# Altium PCB RemoteCtrl-V2.PcbDoc (part 1 of 4)
Units mil, origin at the board's own origin, x right, y up, seen from the top; angles counter-clockwise.
Board outline 3937.01 x 3700.79 mil, 2 copper layers (Top Layer, Bottom Layer); 118 components, 110 nets, 611 pads, 205 vias.
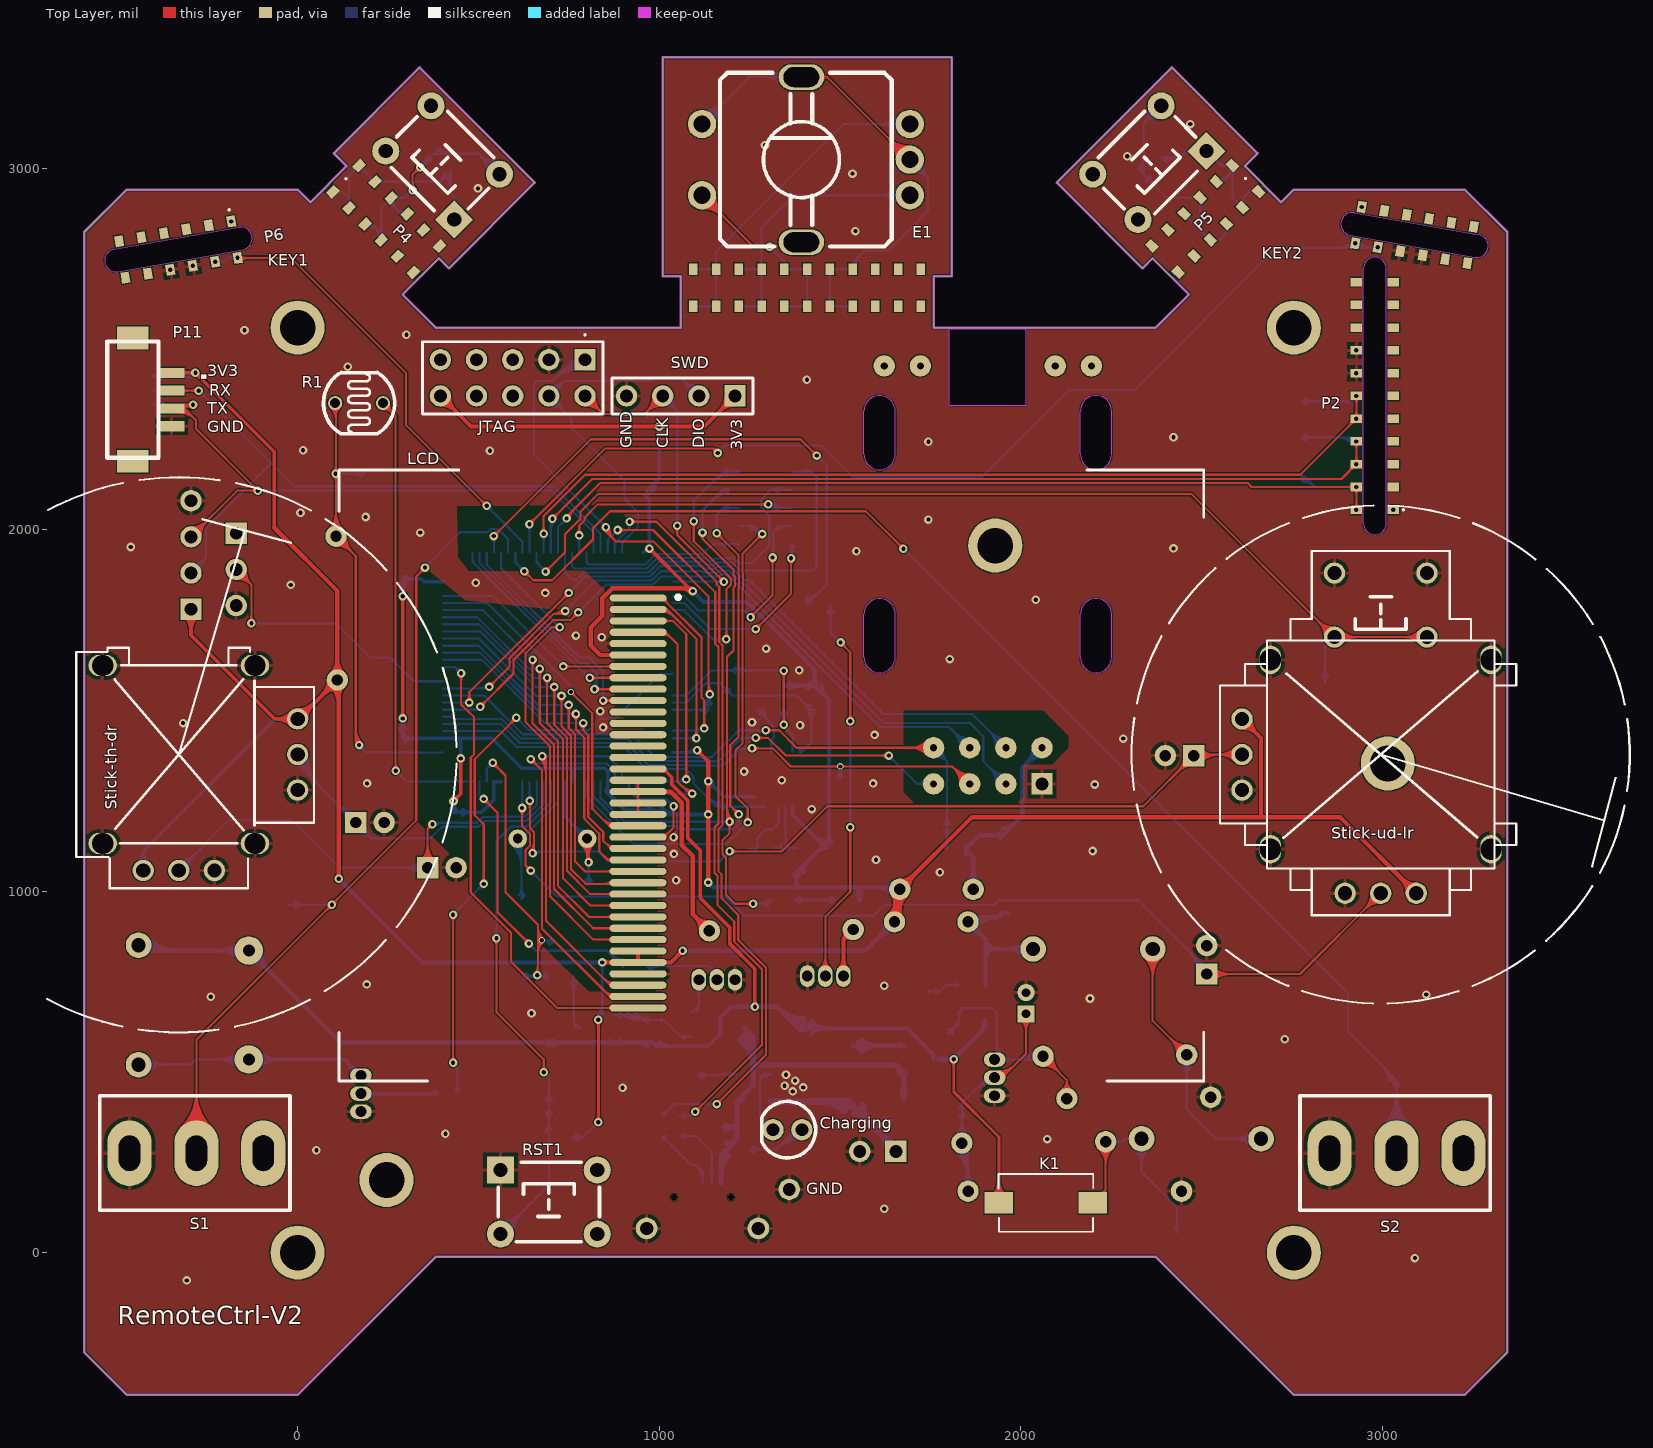
[diagram p0: Top Layer view]
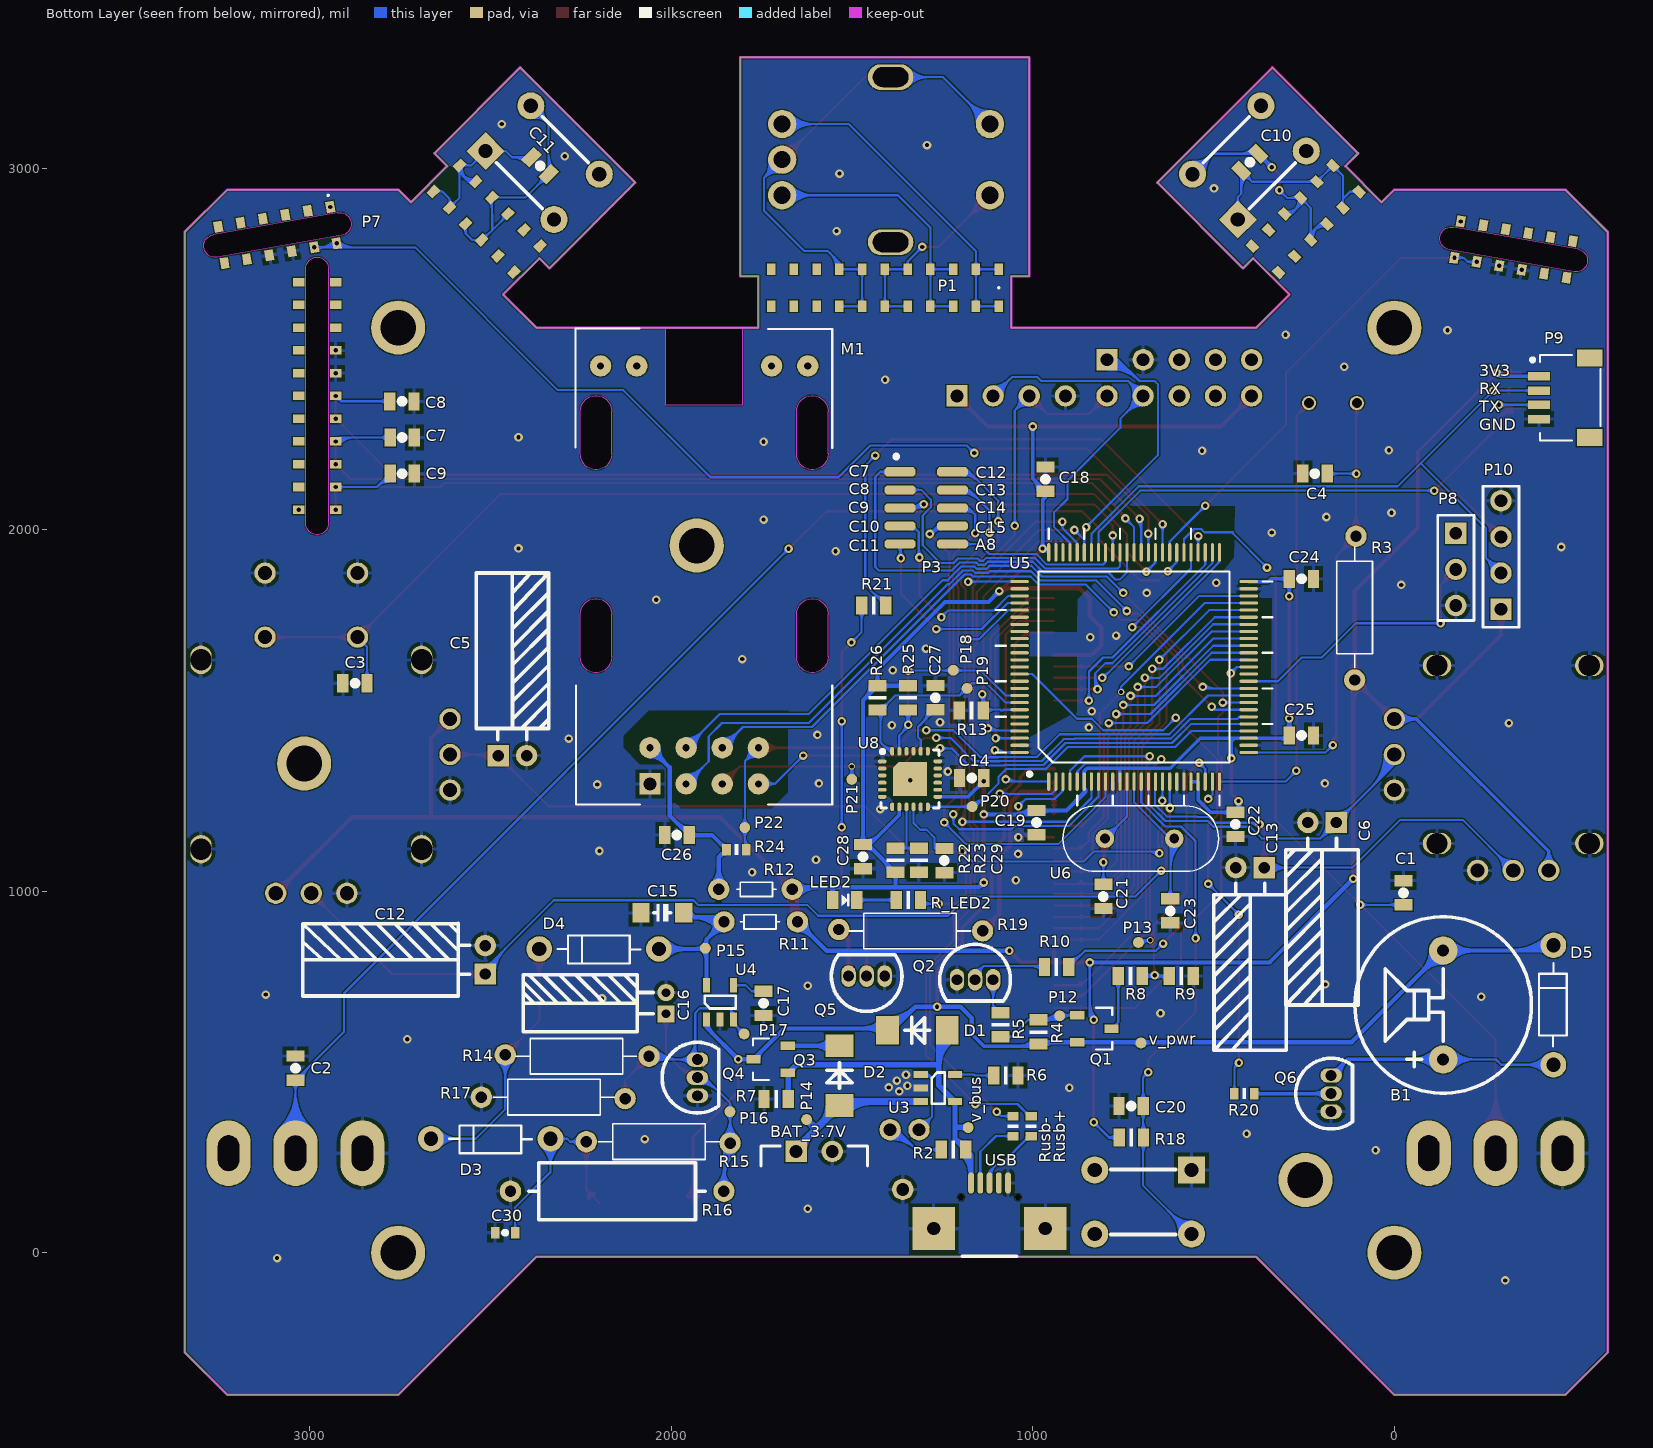
[diagram p1: Bottom Layer view, seen from below]

## Layer stack, top to bottom
Top Layer: signal copper 1.4
Dielectric: dielectric 12.6, FR-4, Dk 4.8
Bottom Layer: signal copper 1.4

## Board outline
-590.55,-275.59 -472.44,-393.7 0,-393.7 381.89,-11.81 2374.01,-11.81 2755.9,-393.7 3228.35,-393.7 3346.46,-275.59 3346.46,2822.84 3228.35,2940.95 2755.9,2940.95 2720.55,2905.59 2620.33,3005.81 2655.69,3041.16 2418.36,3278.49 2100.16,2960.29 2337.49,2722.97 2365.33,2750.81 2465.55,2650.59 2374.01,2559.06 1759.45,2559.06 1759.45,2700.79 1809.45,2700.79 1809.45,3307.09 1009.45,3307.09 1009.45,2700.79 1059.45,2700.79 1059.45,2559.06 381.89,2559.06 290.36,2650.59 390.58,2750.81 418.42,2722.97 655.74,2960.29 337.55,3278.49 100.22,3041.16 135.58,3005.81 35.36,2905.59 0,2940.95 -472.44,2940.95 -590.55,2822.84

## Design rules (kind name [scope] priority, off if disabled: settings)
Clearance [All] p1: gap=3
ComponentClearance lcd [InComponent('LCD')] p1: gap=0 collisioncheckmode=3 verticalgap=0 showdistances=FALSE
ComponentClearance ComponentClearance_1 [All] p2: gap=1 collisioncheckmode=3 verticalgap=1 showdistances=FALSE
Height [All] p1: minheight=0 maxheight=2000 prefheight=500
HoleSize [All] p1: absolutevalues=TRUE maxlimit=900 minlimit=1 maxpercent=80.000 minpercent=20.000
MinimumSolderMaskSliver [All] p1: minsoldermaskwidth=1
PolygonConnect U3 [InComponent('U3')] p1: connectstyle=Direct reliefconductorwidth=10 reliefentries=4 polygonreliefangle="90 Angle" airgapwidth=10
PolygonConnect via [isvia] p2: connectstyle=Direct reliefconductorwidth=10 reliefentries=4 polygonreliefangle="90 Angle" airgapwidth=10
PolygonConnect [All] p3: connectstyle=Relief reliefconductorwidth=10 reliefentries=4 polygonreliefangle="90 Angle" airgapwidth=10
RoutingVias [All] p1: holewidth=11.81 width=23.62 viastyle="Through Hole" minholewidth=11.81 minwidth=11.81 maxholewidth=196.85 maxwidth=50
SMDNeckDown [All] p1: percent=500.000
SilkToSilkClearance [All] p1: silktosilkclearance=0.1
SilkToSolderMaskClearance [IsPad] p1: minsilkscreentomaskgap=1 clearancetoexposedcopper=TRUE
SolderMaskExpansion [All] p1: expansion=4
Width [InNet('VBAT')] p1: maxlimit=20 minlimit=10 preferedwidth=12
Width 3V3 [InNet('3V3')] p2: maxlimit=50 minlimit=6 preferedwidth=10
Width all [All] p3: maxlimit=50 minlimit=6 preferedwidth=6
22 further rules are at their usual default settings.

## Components (designator, comment, footprint, x,y, rotation, side; value= is the part's Value field where it differs from the comment)
B1 "BUZZER" BUZZER-HIGHER -135,685 r90 bottom
BAT_3.7V "PIN HDR 1x2" XH2_54-2P-R 1655,280 r180 bottom locked (schematic designator BAT1)
C1 "0.1uF" 0805-CAP -25,995 r90 bottom
C2 "0.1uF" 0805-CAP 3040,510 r90 bottom
C3 "0.1uF" 0805-CAP 2875,1575 r0 bottom
C4 "0.1uF" 0805-CAP 220,2155 r180 bottom
C5 "10uF" RB2.0*5*11-H 2440,1375 r180 bottom
C6 "10uF" RB2.0*5*11-H 200,1190 r0 bottom
C7 "0.1uF" 0805-CAP 2745,2255 r180 bottom
C8 "0.1uF" 0805-CAP 2745,2355 r0 bottom
C9 "0.1uF" 0805-CAP 2745,2155 r180 bottom
C10 "0.1uF" 0805-CAP 399.7,3016.68 r315 bottom
C11 "0.1uF" 0805-CAP 2363.14,3006.24 r45 bottom
C12 "10uF" RB2.0*5*11-H 2515,810 r90 bottom
C13 "10uF" RB2.0*5*11-H 399,1065 r0 bottom
C14 "0.1uF" 0805-CAP 1169,1313 r0 bottom
C15 "10u" TAJ-A(1206)[3216] 2025,940 r0 bottom
C16 "10u" "CAP 1.5*4*8-H" 2015,690 r90 bottom
C17 "0.1uF" 0805-CAP 1745,690 r270 bottom
C18 "0.1uF" 0805-CAP 965.39,2139.49 r90 bottom
C19 "0.1uF" 0805-CAP 990,1190 r270 bottom
C20 "0.1uF" 0805-CAP 727.99,405.47 r0 bottom
C21 "0.1uF" 0805-CAP 805,985 r90 bottom
C22 "0.1uF" 0805-CAP 440,1185 r270 bottom
C23 "0.1uF" 0805-CAP 620.12,945.08 r90 bottom
C24 "0.1uF" 0805-CAP 256.73,1863.9 r0 bottom
C25 "0.1uF" 0805-CAP 256.73,1430.83 r0 bottom
C26 "0.1uF" 0805-CAP 1985,1155 r180 bottom
C27 "0.1uF" 0805-CAP 1270,1535 r90 bottom
C28 "1uF" 0805-CAP 1470,1095 r90 bottom
C29 ".1uF" 0805-CAP 1245,1085 r270 bottom
C30 "0.1uF" 0603-CAP 2460,55 r180 bottom
Charging "LED" LED-3MM 1355,340 r0 top locked (schematic designator LED1)
D1 "SS34" SMA-S(DO-214AC) 1245,615 r0 bottom
D2 "SS34" SMA-S(DO-214AC) 1535,415 r90 bottom
D3 "DIODE" DO-41 2500,315 r0 bottom
D4 "DIODE" DO-41 2200,840 r0 bottom
D5 "DIODE" DO-41 -440,685 r90 bottom
E1 "ENCODER-12X12" EC11-L 1393.7,3023.62 r90 top
GND "voltage" PIN1*1 1360,175 r90 top
JTAG "votage" PIN-HDR-2X5 795,2470 r180 top
K1 "KEY_2PIN" KEY-SMD-2P-1 2069.96,137.64 r180 top locked
KEY1 "KEY_2PIN" "KEY DIP-6*6*4.3" 401.09,3015.29 r135 top
KEY2 "KEY_2PIN" "KEY DIP-6*6*4.3" 2356.88,3015.29 r225 top
LCD "2.4InchTFT" LCD-2.4Inch 115,2165 r0 top locked
LED2 "LED" 0805-LED 1520,975 r0 bottom
M1 "E01-ML01DP5" E01-ML01DP5 1555,2555 r90 bottom
P1 "PIN HDR 2X11" PIN-SLOT-MALE-2x11 1409.45,2669.29 r0 bottom
P2 "PIN HDR 2X11" PIN-SLOT-FMALE-2X11 2980,2370 r90 top locked
P3 "votage" "HDR1.27 2x5-SMD-male" 1295,2060 r270 bottom
P4 "PIN" PIN-SLOT-MALE-2X6 245.19,2859.39 r315 top
P5 "PIN" PIN-SLOT-MALE-2X6 2510.69,2860.09 r225 top
P6 "PIN" PIN-SLOT-FMALE-2X6 -330,2775 r190 top locked
P7 "PIN" PIN-SLOT-FMALE-2X6 3090,2815 r350 bottom locked
P8 "voltage" PIN3*1 -170,1990 r270 bottom
P9 "PIN HDR 1x4" "SH1.0 S-W-4P" -570,2365 r90 bottom locked
P10 "PIN HDR 1x4" PIN4*1 -295,1780 r90 bottom locked
P11 "PIN HDR 1x4" DF13C-4P-1.25V -385,2360 r270 top locked
P12 "voltage" TEST_P 926,655 r90 bottom
P13 "voltage" TEST_P 708,858 r90 bottom
P14 "voltage" TEST_P 1626,368 r90 bottom
P15 "voltage" TEST_P 1906,842 r90 bottom
P16 "voltage" TEST_P 1838,390 r90 bottom
P17 "voltage" TEST_P 1799,605 r90 bottom
P18 "voltage" TEST_P 1220,1611 r90 bottom
P19 "voltage" TEST_P 1182,1561 r90 bottom
P20 "voltage" TEST_P 1168,1234 r90 bottom
P21 "voltage" TEST_P 1501,1309 r90 bottom
P22 "voltage" TEST_P 1797,1176 r90 bottom
Q1 "SI2303" SOT-23 830,620 r270 bottom
Q2 "NPN" TO-92 1160,755 r180 bottom
Q3 "SI2303" SOT-23 1725,535 r90 bottom
Q4 "NPN" TO-92 1928.23,484.1 r90 bottom
Q5 "NPN" TO-92 1460,765 r0 bottom
Q6 "NPN" TO-92 175,440 r90 bottom
R1 "Photoresistor" PhotoresistorGL55 170,2350 r0 top locked
R2 "1K" 0805-RES 1220,285 r180 bottom
R3 "Value" "AXIAL 10mm" 110,1785 r90 bottom
R4 "105" 0805-RES 985,610 r90 bottom
R5 "102" 0805-RES 1090,630 r90 bottom
R6 "222" 0805-RES 1075,490 r180 bottom
R7 "104" 0805-RES 1710,425 r0 bottom
R8 "Value" 0805-RES 730,765 r0 bottom
R9 "Value" 0805-RES 590,765 r180 bottom
R10 "10K" 0805-RES 935,790 r180 bottom
R11 "0" "AXIAL 5mm" 1760,915 r0 bottom
R12 "0" "AXIAL 5mm" 1760,1005 r180 bottom
R13 "10K" 0805-RES 1170,1500 r0 bottom
R14 "10K" "AXIAL 10mm" 2262.87,543.15 r0 bottom
R15 "680K" "AXIAL 10mm" 2034.53,306.93 r180 bottom
R16 "1M" "AXIAL 15" 2150,170 r180 bottom
R17 "1M" "AXIAL 10mm" 2325,430 r180 bottom
R18 "10K" 0805-RES 727.99,318.86 r180 bottom
R19 "5ohm" "AXIAL 10mm" 1340,890 r0 bottom
R20 "2.2K" 0603-Res 415,440 r0 bottom
R21 "2.2K" 0805-RES 1440,1790 r0 bottom
R22 "10K" 0805-RES 1380,1085 r90 bottom
R23 "10K" 0805-RES 1315,1085 r90 bottom
R24 "10K" 0603-Res 1820,1115 r0 bottom
R25 "2.2K" 0805-RES 1345,1535 r270 bottom
R26 "2.2K" 0805-RES 1430,1535 r270 bottom
R_LED2 "220" 0805-RES 1345,975 r180 bottom
RST1 "KEY_2PIN" "KEY DIP-6*6*4.3" 695,140 r0 top locked
Rusb+ "22ohm" 0603-Res 1005,350 r90 bottom
Rusb- "22ohm" 0603-Res 1055,350 r90 bottom
S1 "NO/OFF" SWITCH_N -280,275 r270 top locked
S2 "NO/OFF" SWITCH_N 3040,275 r270 top locked
Stick-th-dr "JoyStick" JoyStick-Small -328.74,1377.95 r0 top locked
Stick-ud-lr "JoyStick-KEY" JoyStick-Medium 2996.26,1377.95 r270 top locked
SWD "PIN HDR 1x4" PIN4*1 1210,2370 r180 top
U3 "TP4065" SOT23-5 1260,455 r270 bottom
U4 "RT9193" SOT23-5 1865,695 r180 bottom
U5 "STM32F103V8T6" LQFP-100-L 720,1620 r90 bottom
U6 "XTAL-2PIN" XTAL-49S_P 705,1145 r0 bottom
U8 "MPU6050" QFN-24 1340,1310 r270 bottom
USB "USB" USB_MICRO-DIP 1120,-10 r180 bottom locked
v_bus "voltage" TEST_P 1179,346 r90 bottom
v_pwr "voltage" TEST_P 701,580 r90 bottom

## Footprints (in the part's own frame and the unit in brackets; to place one, negate y for a bottom-side part, rotate by r counter-clockwise, add the part's x,y. Pads: shape width x height; smd on the part's side, far side on the other; paste and mask are expansions set on the pad)
0603-CAP [mm] "0603[1608]-CAP"
  rect 0.6x0.8 smd: 1(-0.7,0) 2(0.7,0)
  silkscreen extent -0.13,-0.13 0.13,0.13, body extent -0.82,-0.4 0.82,0.4, height 0.8
0603-Res [mm] "贴片电阻0603"
  rect 0.6x0.8 smd: 1(-0.7,0) 2(0.7,0)
  silkscreen extent -0.13,-0.38 0.13,0.38, body extent -0.8,-0.4 0.8,0.4, height 0.45
0805-CAP [mm] "无极性电容"
  rect 0.8x1.27 smd: 1(-0.838,0) 2(0.862,0)
  silkscreen extent -0.13,-0.13 0.13,0.13, body extent -1,-0.61 1,0.59, height 0.95
0805-LED [mm] "贴片LED0805"
  rect 0.8x1.27 smd: A(0.862,0) C(-0.838,0)
  silkscreen extent -0.23,-0.38 0.23,0.38, body extent -1.01,-0.62 1.01,0.63, height 1.1
0805-RES [mm] "贴片电阻0805"
  rect 0.8x1.27 smd: 1(-0.838,0) 2(0.862,0)
  silkscreen extent -0.13,-0.64 0.13,0.63, body extent -1,-0.63 1,0.63, height 0.55
"AXIAL 5mm" [mm] "脚距5mm直插电阻"
  round 1.5 hole 0.8: 1(2.4,0) 2(-2.765,0)
  silkscreen extent -1.5,-0.5 1.25,0.5, body extent -2.76,-0.91 2.77,0.91, height 2.91
"AXIAL 10mm" [mm] "脚距10mm直插电阻"
  round 1.5 hole 0.8: 1(5,-0.1) 2(-5.1,0)
  silkscreen extent -4.25,-1.25 4.25,1.25, body extent -5.38,-1.26 5.38,1.26, height 3.26
"AXIAL 15" [mm] "1W直插色环电阻，脚距15mm，直径4mm"
  round 1.5 hole 0.8: 1(-7.5,0) 2(7.5,0)
  silkscreen extent -6.2,-2 6.2,2, body extent -7.8,-2.01 7.8,2.01, height 4.11
BUZZER-HIGHER [mm] "蜂鸣器φ12,can place 0805/sot-23 thing blow this buzzer"
  round 2 hole 0.85: 1(-3.825,0) 2(3.825,0)
  silkscreen extent -6.2,-6.2 6.2,6.2, body extent -9.45,-6 6,6, height 10.73
"CAP 1.5*4*8-H" [mm] "脚距1.5mm直径4mm高度8mm"
  rect 1.2x1.2 hole 0.6: A(-0.75,0)
  round 1.2 hole 0.6: C(0.75,0)
  silkscreen extent -2.01,0.89 1.99,10.03, body extent -2,-0.25 2.02,10, height 4.02
DF13C-4P-1.25V [mil] "DF13C-4P-1.25V"
  rect 28x71 smd: 1(-73.82,36) 2(-24.61,36) 3(25,36) 4(74,36)
  rect 63x87 smd: M$0(171,-70.87) M$1(-170.28,-70.87)
  silkscreen extent -160,-142 161,0, body extent -190,-187 190,69, height 173
DO-41 [mm] "φ2.6x5直插二极管"
  round 1.8 hole 1: A(-4.2,0) C(4.2,0)
  silkscreen extent -2.91,-0.94 2.93,1.02, body extent -4.2,-1.33 4.2,1.33, height 2.83
E01-ML01DP5 [mm] "E01-ML01DP5模块"
  rect 1.5x1.5 hole 0.9: 1(-31.96,12.81)
  round 1.5 hole 0.5: 2(-29.42,12.81) 3(-31.96,10.27) 4(-29.42,10.27) 5(-31.96,7.73) 6(-29.42,7.73) 7(-31.96,5.19) 8(-29.42,5.19) GND(-2.59,1.72) GND(-2.59,4.26) GND(-2.59,13.74) GND(-2.59,16.28)
  rrect10% 2x1 hole 2.2 slot 5.2 at 0 deg unplated: SLOT(-21.54,1.4)
  rrect10% 3x1 hole 2.2 slot 5.2 at 0 deg unplated: SLOT(-21.54,16.6)
  rrect10% 1x1 hole 2.2 slot 5.2 at 0 deg unplated: SLOT(-7.28,1.4)
  rrect10% 4x1 hole 2.2 slot 5.2 at 0 deg unplated: SLOT(-7.28,16.6)
  round 1.5 hole 5.4 square unplated: SLOT(-2.665,9)
  Keep-Out Layer lines w0.004: -23.04,0.3 cw(c-23.04,1.4) -23.04,2.5 -20.04,2.5 cw(c-20.04,1.4) -20.04,0.3 -23.04,0.3 ; -8.78,0.3 cw(c-8.78,1.4) -8.78,2.5 -5.78,2.5 cw(c-5.78,1.4) -5.78,0.3 -8.78,0.3 ; -5.365,6.3 0.035,6.3 0.035,11.7 -5.365,11.7 -5.365,6.3 ; -23.04,15.5 cw(c-23.04,16.6) -23.04,17.7 -20.04,17.7 cw(c-20.04,16.6) -20.04,15.5 -23.04,15.5 ; -8.78,15.5 cw(c-8.78,16.6) -8.78,17.7 -5.78,17.7 cw(c-5.78,16.6) -5.78,15.5 -8.78,15.5
  silkscreen extent -33.4,0 0.04,18.05, body extent -33.45,-0.05 0.04,18.05, height 0.4
EC11-L [mm] "12X12XH旋转编码器-长手柄"
  round 2 hole 1.2: 1(-2.5,-7.62) 2(0,-7.62) 3(2.5,-7.62) 4(2.5,6.985) 5(-2.5,6.985)
  oval 1.8x3.2 hole 1.4 slot 2.5 at 90 deg: 6(-5.8,0) 7(5.8,0)
  silkscreen extent -6.1,-6.35 6.1,5.71, body extent -6.6,-7.76 6.5,7.36, height 31.6
"HDR1.27 2x5-SMD-male" [mm] "2x5 SMD pin connector-1.27mm-male"
  oct 0.65x2.2 smd: 1(-2.54,-1.85) 2(-2.54,1.85) 3(-1.27,-1.85) 4(-1.27,1.85) 5(0,-1.85) 6(0,1.85) 7(1.27,-1.85) 8(1.27,1.85) 9(2.54,-1.85) 10(2.54,1.85)
  silkscreen extent -3.63,-2.13 -3.58,-2.08, body extent -3.18,-2.75 3.18,2.75, height 4.6
JoyStick-Medium [mm] "Medium JoyStick"
  round 1.5 hole 1: 1(9.751,2.499) 2(9.751,-0.001) 3(9.751,-2.501) 4(2.501,-9.751) 5(0.001,-9.751) 6(-2.499,-9.751) 7(-12.749,-3.251) 7(-12.749,3.249) 8(-8.249,-3.251) 8(-8.249,3.249)
  oval 2x1.5 hole 1.5: 9(-6.649,7.749) 9(-6.649,-7.751) 9(6.651,7.749) 9(6.651,-7.751)
  silkscreen extent -17.5,-17.5 17.5,17.5, body extent -16.03,-13.09 12.98,13.21, height 29.59
JoyStick-Small [mm] "Small JoyStick"
  round 1.5 hole 1: 1(-2.499,-8.148) 2(0.001,-8.148) 3(2.501,-8.148) 4(8.351,-2.498) 5(8.351,0.002) 6(8.351,2.502)
  oval 2x1.5 hole 1.5: 9(-5.349,-6.248) 9(-5.349,6.252) 9(5.351,-6.248) 9(5.351,6.252)
  silkscreen extent -19.48,-19.53 19.51,19.48, body extent -7.24,-9.4 9.53,7.62, height 17
"KEY DIP-6*6*4.3" [mm] "6*6*4.3mm"
  rect 1.9x1.9 hole 1: 1(-3.4,2.25)
  round 1.9 hole 1: 2(-3.4,-2.25) 3(3.4,-2.25) 4(3.4,2.25)
  silkscreen extent -3.56,-2.79 3.56,2.8, body extent -4.11,-3 4.11,3, height 4.25
KEY-SMD-2P-1 [mil] "贴片内引脚按键"
  rect 78.74x60 smd: 1(-130,0) 2(130,0)
  silkscreen extent -131,-80 131,80, body extent -120,-73 120,73, height 98
LCD-2.4Inch [mm] "128x240-TFT-LCD-Z240IT002_FPC"
  oval 4x0.5 smd: 1(21,-9) 2(21,-9.8) 3(21,-10.6) 4(21,-11.4) 5(21,-12.2) 6(21,-13) 7(21,-13.8) 8(21,-14.6) 9(21,-15.4) 10(21,-16.2) 11(21,-17) 12(21,-17.8) 13(21,-18.6) 14(21,-19.4) 15(21,-20.2) 16(21,-21) 17(21,-21.8) 18(21,-22.6) 19(21,-23.4) 20(21,-24.2) 21(21,-25) 22(21,-25.8) 23(21,-26.6) 24(21,-27.4) 25(21,-28.2) 26(21,-29) 27(21,-29.8) 28(21,-30.6) 29(21,-31.4) 30(21,-32.2) 31(21,-33) 32(21,-33.8) 33(21,-34.6) 34(21,-35.4) 35(21,-36.2) 36(21,-37) 37(21,-37.8)
  silkscreen extent 0,-42.92 60.75,0, body extent 0,-42.92 60.75,0, height 4.15
LED-3MM [mm] "LED3mm直插"
  round 1.5 hole 0.9: A(1.016,0) C(-1.016,0)
  silkscreen extent -1.8,-1.99 1.99,1.99, body extent -1.63,-1.65 1.58,1.65, height 4.98
LQFP-100-L [mm] "LQFP-100-Long pad"
  oval 1.3x0.22 smd: 1(-8.05,6) 2(-8.05,5.5) 3(-8.05,5) 4(-8.05,4.5) 5(-8.05,4) 6(-8.05,3.5) 7(-8.05,3) 8(-8.05,2.5) 9(-8.05,2) 10(-8.05,1.5) 11(-8.05,1) 12(-8.05,0.5) 13(-8.05,0) 14(-8.05,-0.5) 15(-8.05,-1) 16(-8.05,-1.5) 17(-8.05,-2) 18(-8.05,-2.5) 19(-8.05,-3) 20(-8.05,-3.5) 21(-8.05,-4) 22(-8.05,-4.5) 23(-8.05,-5) 24(-8.05,-5.5) 25(-8.05,-6) 51(8.05,-6) 52(8.05,-5.5) 53(8.05,-5) 54(8.05,-4.5) 55(8.05,-4) 56(8.05,-3.5) 57(8.05,-3) 58(8.05,-2.5) 59(8.05,-2) 60(8.05,-1.5) 61(8.05,-1) 62(8.05,-0.5) 63(8.05,0) 64(8.05,0.5) 65(8.05,1) 66(8.05,1.5) 67(8.05,2) 68(8.05,2.5) 69(8.05,3) 70(8.05,3.5) 71(8.05,4) 72(8.05,4.5) 73(8.05,5) 74(8.05,5.5) 75(8.05,6)
  oval 0.22x1.3 smd: 26(-6,-8.05) 27(-5.5,-8.05) 28(-5,-8.05) 29(-4.5,-8.05) 30(-4,-8.05) 31(-3.5,-8.05) 32(-3,-8.05) 33(-2.5,-8.05) 34(-2,-8.05) 35(-1.5,-8.05) 36(-1,-8.05) 37(-0.5,-8.05) 38(0,-8.05) 39(0.5,-8.05) 40(1,-8.05) 41(1.5,-8.05) 42(2,-8.05) 43(2.5,-8.05) 44(3,-8.05) 45(3.5,-8.05) 46(4,-8.05) 47(4.5,-8.05) 48(5,-8.05) 49(5.5,-8.05) 50(6,-8.05) 76(6,8.05) 77(5.5,8.05) 78(5,8.05) 79(4.5,8.05) 80(4,8.05) 81(3.5,8.05) 82(3,8.05) 83(2.5,8.05) 84(2,8.05) 85(1.5,8.05) 86(1,8.05) 87(0.5,8.05) 88(0,8.05) 89(-0.5,8.05) 90(-1,8.05) 91(-1.5,8.05) 92(-2,8.05) 93(-2.5,8.05) 94(-3,8.05) 95(-3.5,8.05) 96(-4,8.05) 97(-4.5,8.05) 98(-5,8.05) 99(-5.5,8.05) 100(-6,8.05)
  silkscreen extent -9.73,-9.73 9.73,9.73, body extent -8,-8 8,8, height 1.7
PhotoresistorGL55 [mm] "PinDistance-3mm;Dian-5.1mm"